# Altium PCB OIS_Anakart.PcbDoc (part 3 of 3)
Units mm, origin at the board's own origin, x right, y up, seen from the top; angles counter-clockwise.
Board outline 285.58 x 103.2 mm, 4 copper layers (Top Layer, GND, PWR, Bottom Layer), stack 0.603 mm thick; 221 components, 193 nets, 759 pads, 338 vias.
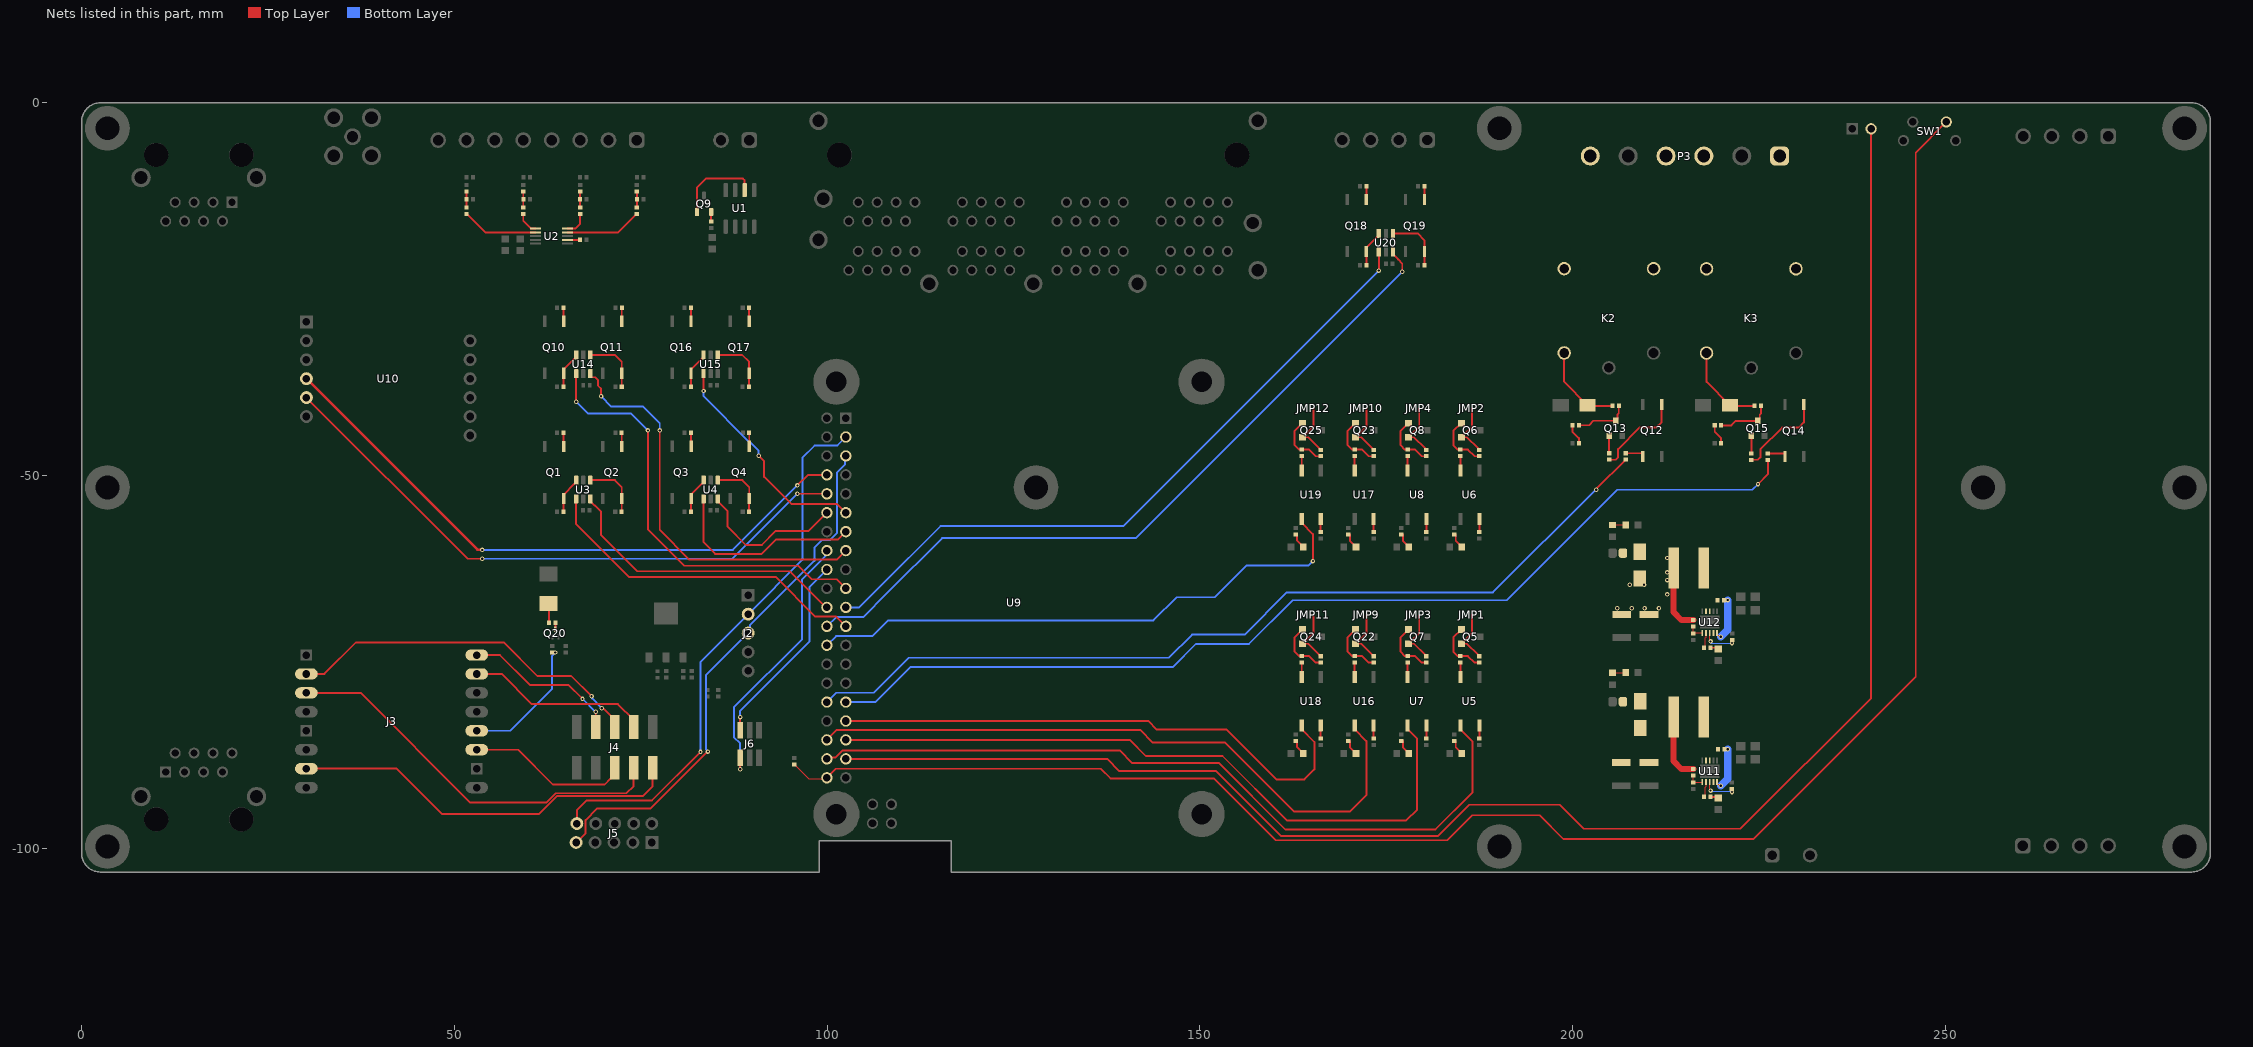
[diagram p5: the nets of this part, all layers, seen from the top]

## Via types
v1: diameter 0.6, hole 0.3, Top Layer to Bottom Layer, tented both sides, 338 vias

## Nets (pads, with @x,y where several pads share a name; then routed paths per layer and width w, separated by ;. In a path a pad name is that pad's centre, name@x,y a point inside that pad or via, vN(x,y) a via of type N, cw(c..) or ccw(c..) an arc to the next point about the centre after c; other vN are vias at no path point) (continued)
GPIO6: R44.1 U9.31 | length 138.3
  Top Layer w0.254: v1(224.895,-51.143) 226.224,-49.814 R44.1@226.224,-47.892
  Bottom Layer w0.254: U9.31@102.515,-80.395 106.49,-80.395 111.181,-75.704 146.386,-75.704 149.484,-72.606 156.587,-72.606 162.455,-66.738 191.171,-66.738 206.003,-51.906 224.133,-51.906 v1(224.895,-51.143)
GPIO7: U9.26 U19.1 | length 76.2
  Top Layer w0.254: U19.1@163.679,-55.829 163.679,-56.349 165.183,-57.853 v1(165.183,-61.481)
  Bottom Layer w0.254: U9.26@99.975,-72.775 101.2,-71.551 106.074,-71.551 108.191,-69.434 143.789,-69.434 146.887,-66.336 152.025,-66.336 156.3,-62.06 164.604,-62.06 v1(165.183,-61.481)
GPIO8: U9.24 U20.6 | length 100
  Top Layer w0.254: U20.6@175.928,-20.027 175.928,-20.342 176.604,-21.018 176.607,-21.018 177.166,-21.576 v1(177.166,-22.661)
  Bottom Layer w0.254: U9.24@99.975,-70.235 101.205,-69.006 104.825,-69.006 108.005,-65.826 115.431,-58.4 141.427,-58.4 v1(177.166,-22.661)
GPIO9: U9.21 U20.4 | length 92.7
  Top Layer w0.254: v1(174.028,-22.508) U20.4@174.028,-20.027
  Bottom Layer w0.254: U9.21@102.515,-67.695 104.321,-67.695 106.821,-65.196 115.216,-56.8 139.736,-56.8 v1(174.028,-22.508)
GPIO10: U9.19 U14.4 | length 58.1
  Top Layer w0.254: v1(66.339,-40.112) U14.4@66.339,-36.337 ; v1(75.967,-43.957) 75.967,-57.215 80.854,-62.102 96.161,-62.102 97.972,-63.913 101.273,-63.913 U9.19@102.515,-65.155
  Bottom Layer w0.254: v1(66.339,-40.112) 67.887,-41.66 73.67,-41.66 v1(75.967,-43.957)
GPIO11: U3.4 U9.23 | length 45.3
  Top Layer w0.254: U3.4@66.331,-53.14 66.331,-56.547 73.395,-63.611 93.109,-63.611 98.429,-68.931 101.211,-68.931 U9.23@102.515,-70.235
GPIO12: R40.1 U9.32 | length 120.7
  Top Layer w0.254: v1(203.208,-51.906) 203.208,-51.796 R40.1@207.124,-47.88
  Bottom Layer w0.254: U9.32@99.975,-80.395 101.227,-79.144 106.269,-79.144 110.964,-74.45 145.867,-74.45 148.964,-71.352 156.015,-71.352 161.672,-65.695 189.335,-65.695 203.124,-51.906 v1(203.208,-51.906)
GPIO13: U9.33 U18.1 | length 73.3
  Top Layer w0.254: U9.33@102.515,-82.935 143.095,-82.935 144.249,-84.09 153.605,-84.09 160.277,-90.761 164.049,-90.761 165.381,-89.429 165.381,-85.753 163.679,-84.051 U18.1@163.679,-83.531
GPIO14: U9.8 U10.4 | length 83.5
  Top Layer w0.254: v1(96.024,-51.334) 97.443,-49.915 U9.8@99.975,-49.915
  Top Layer w0.349: U10.4@30.145,-37.008 53.073,-59.936 53.701,-59.936 v1(53.749,-59.984)
  Bottom Layer w0.254: v1(53.749,-59.984) 87.365,-59.984 96.014,-51.334 v1(96.024,-51.334)
GPIO15: U9.10 U10.5 | length 82.4
  Top Layer w0.254: U10.5@30.145,-39.548 51.768,-61.17 v1(53.749,-61.17) ; v1(96.024,-52.455) U9.10@99.975,-52.455
  Bottom Layer w0.254: v1(53.749,-61.17) 87.309,-61.17 v1(96.024,-52.455)
GPIO16: U9.36 U16.1 | length 88.4
  Top Layer w0.254: U9.36@99.975,-85.475 101.314,-84.136 142.027,-84.136 143.715,-85.824 153.421,-85.824 162.686,-95.09 170.142,-95.09 172.357,-92.875 172.357,-85.63 170.779,-84.051 U16.1@170.779,-83.531
GPIO17: U9.11 U15.4 | length 30.2
  Top Layer w0.254: v1(83.43,-38.664) U15.4@83.43,-36.343 ; v1(90.829,-47.35) 91.562,-48.083 91.562,-50.179 95.19,-53.807 101.327,-53.807 U9.11@102.515,-54.995
  Bottom Layer w0.254: v1(83.43,-38.664) 83.43,-39.371 89.578,-45.519 89.676,-45.519 90.826,-46.669 90.826,-47.347 v1(90.829,-47.35)
GPIO18: U4.6 U9.12 | length 20.4
  Top Layer w0.254: U4.6@85.334,-53.133 85.334,-53.448 86.01,-54.124 86.014,-54.124 86.666,-54.777 86.666,-56.88 89.11,-59.324 91.263,-59.324 93.143,-57.443 97.527,-57.443 U9.12@99.975,-54.995
GPIO19: U7.1 U9.35 | length 93.5
  Top Layer w0.254: U9.35@102.515,-85.475 140.623,-85.475 142.781,-87.633 153.052,-87.633 161.689,-96.271 177.709,-96.271 179.149,-94.832 179.149,-85.321 177.879,-84.051 U7.1@177.879,-83.531
GPIO20: U5.1 U9.38 | length 103.2
  Top Layer w0.254: U9.38@99.975,-88.015 100.131,-87.859 101.118,-87.859 102.089,-86.889 139.27,-86.889 140.975,-88.594 152.588,-88.594 161.487,-97.492 181.619,-97.492 186.574,-92.537 186.574,-85.647 184.979,-84.051 U5.1@184.979,-83.531
GPIO21: R34.2 SW1.1 U9.40 | length 243.6
  Top Layer w0.127: R34.2@95.6,-88.792 95.63,-88.792 97.538,-90.7 99.83,-90.7 U9.40@99.975,-90.555
  Top Layer w0.254: U9.40@99.975,-90.555 101.183,-89.348 136.733,-89.348 138.025,-90.64 151.906,-90.64 160.197,-98.931 183.184,-98.931 186.53,-95.586 195.599,-95.586 198.802,-98.788 224.244,-98.788 246.053,-76.978 246.053,-6.673 SW1.1@250.16,-2.567
GPIO22: U9.15 U14.6 | length 55.1
  Top Layer w0.254: U14.6@68.239,-36.337 68.239,-36.652 68.402,-36.815 68.875,-36.815 69.243,-37.183 69.243,-37.924 69.684,-38.365 v1(69.684,-39.371) ; v1(77.555,-43.957) 77.555,-57.305 81.536,-61.287 101.304,-61.287 U9.15@102.515,-60.075 ; U9.15@102.265,-59.825 U9.15@102.515,-59.575
  Bottom Layer w0.254: v1(69.684,-39.371) 71.069,-40.757 75.306,-40.757 77.555,-43.005 v1(77.555,-43.957)
GPIO25: U3.6 U9.22 | length 39.9
  Top Layer w0.254: U3.6@68.231,-53.14 68.231,-53.455 68.78,-54.004 68.841,-54.004 69.682,-54.845 69.682,-57.999 74.533,-62.849 94.977,-62.849 99.824,-67.695 U9.22@99.975,-67.695
  Bottom Layer w0.254: U9.22@99.975,-67.195 U9.22@99.975,-67.112
GPIO26: D5.A U9.37 | length 228.6
  Top Layer w0.254: U9.37@102.515,-88.015 137.577,-88.015 139.218,-89.656 152.188,-89.656 160.918,-98.387 181.949,-98.387 186.164,-94.171 198.268,-94.171 201.491,-97.394 222.542,-97.394 240.079,-79.857 D5.A@240.079,-3.487
GPIO27: U4.4 U9.13 | length 26.8
  Top Layer w0.254: U4.4@83.434,-53.133 83.434,-58.958 84.986,-60.51 91.225,-60.51 93.143,-58.592 101.459,-58.592 U9.13@102.515,-57.535
IO1: J3.P2 J4.6 | length 48.5
  Top Layer w0.254: J3.P2@30.145,-76.628 32.566,-76.628 36.799,-72.395 56.62,-72.395 61.125,-76.9 65.677,-76.9 v1(68.399,-79.621) ; v1(69.783,-81.223) 69.849,-81.289 70.015,-81.289 71.512,-82.786 J4.6@71.512,-83.739
  Bottom Layer w0.254: v1(68.399,-79.621) 68.465,-79.688 68.465,-79.905 v1(69.783,-81.223)
IO2: J3.P15 J4.8 | length 24.5
  Top Layer w0.254: J3.P15@53.005,-76.628 56.354,-76.628 60.384,-80.658 71.924,-80.658 74.052,-82.786 J4.8@74.052,-83.739
IO3: J3.P3 J4.7 | length 53.4
  Top Layer w0.254: J3.P3@30.145,-79.168 37.415,-79.168 52.125,-93.878 62.333,-93.878 63.583,-92.628 73.088,-92.628 74.052,-91.665 J4.7@74.052,-89.2
IO4: J3.P16 J4.4 | length 21.2
  Top Layer w0.254: J3.P16@53.005,-74.088 56.119,-74.088 60.119,-78.088 65.297,-78.088 v1(67.186,-79.977) ; J4.4@68.972,-83.739 v1(68.972,-81.705)
  Bottom Layer w0.254: v1(67.186,-79.977) 68.914,-81.705 v1(68.972,-81.705)
IO12: J3.P11 J4.5 | length 21.9
  Top Layer w0.254: J3.P11@53.005,-86.788 58.548,-86.788 63.216,-91.456 70.14,-91.456 70.936,-90.66 71.004,-90.66 71.512,-90.152 J4.5@71.512,-89.2
IO13: J3.P12 R66.1 | length 17.9
  Top Layer w0.127: R66.1@63.145,-73.747 v1(63.545,-73.747)
  Bottom Layer w0.254: J3.P12@53.005,-84.248 57.496,-84.248 63.076,-78.668 63.076,-74.242 63.545,-73.773 v1(63.545,-73.747)
IO16: J3.P7 J4.9 | length 53
  Top Layer w0.254: J3.P7@30.145,-89.328 42.263,-89.328 48.352,-95.417 61.333,-95.417 63.741,-93.009 75.249,-93.009 76.592,-91.666 J4.9@76.592,-89.2
NC_U_OIS_Relay1: K2.4 P3.6
NC_U_OIS_Relay2: K3.4 P3.3
NetC3_2: C3.2 R1.1 R2.2 | length 2.1
  Top Layer w0.254: R2.2@74.485,-14.022 C3.2@74.485,-12.934 R1.1@74.485,-11.895
NetC5_2: C5.2 R3.1 R4.2 | length 2.1
  Top Layer w0.254: R4.2@66.865,-14.022 C5.2@66.865,-12.934 R3.1@66.865,-11.895
NetC9_2: C9.2 R5.1 R6.2 | length 2.1
  Top Layer w0.254: R6.2@59.245,-14.022 C9.2@59.245,-12.934 R5.1@59.245,-11.895
NetC11_2: C11.2 R8.1 R9.2 | length 2.1
  Top Layer w0.254: R9.2@51.625,-14.022 C11.2@51.625,-12.934 R8.1@51.625,-11.895
NetC15_1: C15.1 L1.2 U11.8 U11.9
NetC15_2: C15.2 U11.5 | length 6.4
  Top Layer w0.152: U11.5@219.42,-91.125 219.42,-91.379 219.471,-91.43 219.847,-91.43 v1@219.922,-91.505 ; v1@219.83,-91.597 219.842,-91.585 v1@219.922,-91.505 ; v1@219.991,-91.574 v1@219.922,-91.505
  Bottom Layer w1: v1(219.893,-91.636) 220.844,-90.685 v1(220.844,-86.712)
NetC18_2: C18.2 C19.2 D14.A L1.1 R52.2 | length 9
  Top Layer w0.8: L1.1@213.573,-82.409 213.573,-88.328 214.64,-89.396 R52.2@216.216,-89.396
NetC23_1: C23.1 L2.2 U12.8 U12.9
NetC23_2: C23.2 U12.5 | length 6.4
  Top Layer w0.152: U12.5@219.42,-71.125 219.42,-71.379 219.471,-71.43 219.847,-71.43 v1@219.922,-71.505 ; v1@219.83,-71.597 219.842,-71.585 v1@219.922,-71.505 ; v1@219.991,-71.574 v1@219.922,-71.505
  Bottom Layer w1: v1(219.893,-71.636) 220.844,-70.685 v1(220.844,-66.712)
NetC24_2: C24.2 C25.2 D16.A L2.1 R57.2 | length 9
  Top Layer w0.8: L2.1@213.573,-62.409 213.573,-68.328 214.64,-69.396 R57.2@216.216,-69.396
  other v1: 206.019,-67.803 207.949,-67.803 209.673,-67.803 211.604,-67.803 212.731,-65.959 207.676,-64.657 209.607,-64.657 212.731,-64.029 212.731,-63 212.731,-61.069
NetD1_A: D1.A R21.1 | length 2
  Top Layer w0.254: R21.1@184.349,-85.613 184.349,-86.447 185.163,-87.261 D1.A@185.163,-87.281
NetD2_A: D2.A R25.1 | length 2
  Top Layer w0.254: R25.1@184.349,-57.912 184.349,-58.746 185.163,-59.56 D2.A@185.163,-59.58
NetD3_A: D3.A R29.1 | length 2
  Top Layer w0.254: R29.1@177.249,-85.613 177.249,-86.447 178.063,-87.261 D3.A@178.063,-87.281
NetD4_A: D4.A R33.1 | length 2
  Top Layer w0.254: R33.1@177.249,-57.911 177.249,-58.745 178.063,-59.559 D4.A@178.063,-59.579
NetD8_C: D8.C R39.2 | length 2.8
  Top Layer w0.254: R39.2@199.992,-43.256 199.992,-44.124 200.856,-44.988 D8.C@200.856,-45.656
NetD9_A: D9.A K2.5 R41.2 | length 11.7
  Top Layer w0.254: K2.5@198.888,-33.556 198.888,-37.425 D9.A@202.019,-40.556 202.119,-40.656 R41.2@205.356,-40.656
NetD10_C: D10.C R43.2 | length 2.8
  Top Layer w0.254: R43.2@219.092,-43.268 219.092,-44.136 219.956,-45 D10.C@219.956,-45.668
NetD11_A: D11.A K3.5 R45.2 | length 11.7
  Top Layer w0.254: K3.5@217.988,-33.568 217.988,-37.437 D11.A@221.119,-40.568 221.219,-40.668 R45.2@224.456,-40.668
NetD14_C: D14.C SB1.1
NetD15_A: D15.A R53.1 | length 1.8
  Top Layer w0.152: R53.1@205.382,-76.45 D15.A@207.17,-76.45
NetD16_C: D16.C SB2.1
NetD17_A: D17.A R58.1 | length 1.8
  Top Layer w0.152: R58.1@205.382,-56.64 D17.A@207.17,-56.64
NetD18_A: D18.A R72.1 | length 2
  Top Layer w0.254: R72.1@170.149,-85.613 170.149,-86.447 170.963,-87.261 D18.A@170.963,-87.281
NetD19_A: D19.A R76.1 | length 2
  Top Layer w0.254: R76.1@170.149,-57.911 170.149,-58.745 170.963,-59.559 D19.A@170.963,-59.579
NetD20_A: D20.A R80.1 | length 2
  Top Layer w0.254: R80.1@163.049,-85.613 163.049,-86.447 163.863,-87.261 D20.A@163.863,-87.281
NetD21_A: D21.A R84.1 | length 2
  Top Layer w0.254: R84.1@163.049,-57.911 163.049,-58.745 163.863,-59.559 D21.A@163.863,-59.579
NetLS1_N: LS1.N R65.2 | length 2.5
  Top Layer w0.254: LS1.N@62.647,-67.198 62.681,-67.231 R65.2@62.681,-69.732
NetQ1_1: Q1.1 R11.1 | length 1.8
  Top Layer w0.254: Q1.1@64.651,-46.093 R11.1@64.651,-44.285
NetQ1_6: Q1.6 R10.1 U3.3 | length 5
  Top Layer w0.254: R10.1@64.651,-54.885 Q1.6@64.651,-53.076 64.651,-52.55 66.094,-51.108 66.168,-51.108 66.331,-50.945 U3.3@66.331,-50.63
NetQ2_1: Q2.1 R13.1 | length 1.8
  Top Layer w0.254: Q2.1@72.451,-46.093 R13.1@72.451,-44.285
NetQ2_6: Q2.6 R12.1 U3.1 | length 7.9
  Top Layer w0.254: U3.1@68.231,-50.63 71.526,-50.63 72.451,-51.555 Q2.6@72.451,-53.076 ; R12.1@72.446,-54.885 Q2.6@72.446,-53.076
NetQ3_1: Q3.1 R15.1 | length 1.8
  Top Layer w0.254: Q3.1@81.754,-46.086 R15.1@81.754,-44.278
NetQ3_6: Q3.6 R14.1 U4.3 | length 5
  Top Layer w0.254: R14.1@81.754,-54.878 Q3.6@81.754,-53.07 81.754,-52.544 83.197,-51.101 83.271,-51.101 83.434,-50.938 U4.3@83.434,-50.623
NetQ4_1: Q4.1 R17.1 | length 1.8
  Top Layer w0.254: Q4.1@89.554,-46.086 R17.1@89.554,-44.278
NetQ4_6: Q4.6 R16.1 U4.1 | length 7.9
  Top Layer w0.254: U4.1@85.334,-50.623 88.629,-50.623 89.554,-51.548 Q4.6@89.554,-53.07 ; R16.1@89.55,-54.878 Q4.6@89.55,-53.07
NetQ5_1: Q5.1 R18.2 R19.2 | length 7.5
  Top Layer w0.254: Q5.1@185.099,-70.673 185.074,-70.673 184.037,-71.71 184.037,-73.622 184.632,-74.217 R19.2@184.979,-74.217 185.985,-74.217 186.881,-75.113 R18.2@187.519,-75.113
NetQ6_1: Q6.1 R22.2 R23.2 | length 7.5
  Top Layer w0.254: Q6.1@185.099,-42.973 185.074,-42.973 184.037,-44.009 184.037,-45.922 184.632,-46.516 R23.2@184.979,-46.516 185.985,-46.516 186.881,-47.412 R22.2@187.519,-47.412
NetQ7_1: Q7.1 R26.2 R27.2 | length 7.5
  Top Layer w0.254: Q7.1@177.999,-70.673 177.974,-70.673 176.937,-71.71 176.937,-73.622 177.532,-74.217 R27.2@177.879,-74.217 178.885,-74.217 179.781,-75.113 R26.2@180.419,-75.113
NetQ8_1: Q8.1 R30.2 R31.2 | length 7.5
  Top Layer w0.254: Q8.1@177.999,-42.971 177.974,-42.971 176.937,-44.008 176.937,-45.92 177.532,-46.515 R31.2@177.879,-46.515 178.885,-46.515 179.781,-47.411 R30.2@180.419,-47.411
NetQ9_2: Q9.2 R38.2@84.453,-15.936 | length 1.3
  Top Layer w0.254: R38.2@84.453,-15.936 Q9.2@84.453,-14.641
NetQ10_1: Q10.1 R36.1@64.659,-27.482 | length 3.6
  Top Layer w0.254: Q10.1@64.659,-29.29 R36.1@64.659,-27.482 Q10.1@64.659,-29.29
NetQ10_6: Q10.6 R35.1 U14.3 | length 10
  Top Layer w0.254: Q10.6@64.659,-36.274 R35.1@64.659,-38.082 Q10.6@64.659,-36.274 ; Q10.6@64.659,-36.274 Q10.6@64.659,-35.748 ; Q10.6@64.659,-36.274 Q10.6@64.659,-35.748 ; Q10.6@64.659,-35.748 U14.3@66.102,-34.305 ; Q10.6@64.659,-35.748 U14.3@66.102,-34.305 ; U14.3@66.102,-34.305 U14.3@66.176,-34.305 ; U14.3@66.102,-34.305 U14.3@66.176,-34.305 ; U14.3@66.176,-34.305 U14.3@66.339,-34.142 ; U14.3@66.176,-34.305 U14.3@66.339,-34.142 ; U14.3@66.339,-34.142 U14.3@66.339,-33.827 U14.3@66.339,-34.142
NetQ11_1: Q11.1 R38.1@72.459,-27.482 | length 3.6
  Top Layer w0.254: Q11.1@72.459,-29.29 R38.1@72.459,-27.482 Q11.1@72.459,-29.29
NetQ11_6: Q11.6 R37.1@72.454,-38.082 U14.1 | length 15.9
  Top Layer w0.254: 71.534,-33.827 U14.1@68.239,-33.827 71.534,-33.827 ; 71.534,-33.827 72.459,-34.752 ; 71.534,-33.827 72.459,-34.752 ; 72.459,-34.752 Q11.6@72.459,-36.274 72.459,-34.752 ; R37.1@72.454,-38.082 72.454,-36.274 R37.1@72.454,-38.082
NetQ12_1: Q12.1 R40.2 | length 2.7
  Top Layer w0.254: R40.2@207.124,-47.016 209.317,-47.016 209.418,-47.117 Q12.1@209.418,-47.448
NetQ12_4: Q12.4 R42.1 | length 12.2
  Top Layer w0.254: R42.1@204.913,-47.88 205.792,-47.88 206.124,-47.548 206.124,-46.456 209.024,-43.556 211.258,-43.556 211.958,-42.856 Q12.4@211.958,-40.465
NetQ13_1: Q13.1 R42.2 | length 2.4
  Top Layer w0.254: R42.2@204.913,-47.016 Q13.1@204.913,-44.656
NetQ13_3: Q13.3 R39.1 R41.1 | length 7.4
  Top Layer w0.254: R39.1@200.856,-43.256 202.224,-43.256 202.824,-42.656 Q13.3@205.788,-42.656 206.03,-42.414 206.03,-41.85 206.22,-41.66 R41.1@206.22,-40.656
NetQ14_1: Q14.1 R44.2 | length 2.7
  Top Layer w0.254: R44.2@226.224,-47.028 228.417,-47.028 228.518,-47.129 Q14.1@228.518,-47.46
NetQ14_4: Q14.4 R46.1 | length 12.2
  Top Layer w0.254: R46.1@224.013,-47.892 224.892,-47.892 225.224,-47.56 225.224,-46.468 228.124,-43.568 230.358,-43.568 231.058,-42.868 Q14.4@231.058,-40.477
NetQ15_1: Q15.1 R46.2 | length 2.4
  Top Layer w0.254: R46.2@224.013,-47.028 Q15.1@224.013,-44.668
NetQ15_3: Q15.3 R43.1 R45.1 | length 7.4
  Top Layer w0.254: R43.1@219.956,-43.268 221.324,-43.268 221.924,-42.668 Q15.3@224.888,-42.668 225.13,-42.426 225.13,-41.862 225.32,-41.673 R45.1@225.32,-40.668
NetQ16_1: Q16.1 R48.1 | length 1.8
  Top Layer w0.254: Q16.1@81.75,-29.296 R48.1@81.75,-27.488
NetQ16_6: Q16.6 R47.1 U15.3 | length 5
  Top Layer w0.254: R47.1@81.75,-38.088 Q16.6@81.75,-36.28 81.75,-35.754 83.193,-34.311 83.267,-34.311 83.43,-34.148 U15.3@83.43,-33.833
NetQ17_1: Q17.1 R50.1 | length 1.8
  Top Layer w0.254: Q17.1@89.55,-29.296 R50.1@89.55,-27.488
NetQ17_6: Q17.6 R49.1 U15.1 | length 7.9
  Top Layer w0.254: U15.1@85.33,-33.833 88.625,-33.833 89.55,-34.758 Q17.6@89.55,-36.28 ; R49.1@89.545,-38.088 Q17.6@89.545,-36.28
NetQ18_1: Q18.1 R62.1 | length 1.8
  Top Layer w0.254: Q18.1@172.348,-12.98 R62.1@172.348,-11.172
NetQ18_6: Q18.6 R61.1 U20.3 | length 5
  Top Layer w0.254: R61.1@172.348,-21.772 Q18.6@172.348,-19.963 172.348,-19.437 173.791,-17.995 173.865,-17.995 174.028,-17.832 U20.3@174.028,-17.517
NetQ19_1: Q19.1 R64.1 | length 1.8
  Top Layer w0.254: Q19.1@180.148,-12.98 R64.1@180.148,-11.172
NetQ19_6: Q19.6 R63.1 U20.1 | length 7.9
  Top Layer w0.254: U20.1@175.928,-17.517 179.223,-17.517 180.148,-18.442 Q19.6@180.148,-19.963 ; R63.1@180.144,-21.772 Q19.6@180.144,-19.963
NetQ20_3: Q20.3 R65.1 | length 0.9
  Top Layer w0.254: Q20.3@63.545,-70.643 R65.1@63.545,-69.732
NetQ22_1: Q22.1 R69.2 R70.2 | length 7.5
  Top Layer w0.254: Q22.1@170.899,-70.673 170.874,-70.673 169.837,-71.71 169.837,-73.622 170.432,-74.217 R70.2@170.779,-74.217 171.785,-74.217 172.681,-75.113 R69.2@173.319,-75.113
NetQ23_1: Q23.1 R73.2 R74.2 | length 7.5
  Top Layer w0.254: Q23.1@170.899,-42.972 170.874,-42.972 169.837,-44.008 169.837,-45.921 170.432,-46.515 R74.2@170.779,-46.515 171.785,-46.515 172.681,-47.411 R73.2@173.319,-47.411
NetQ24_1: Q24.1 R77.2 R78.2 | length 7.5
  Top Layer w0.254: Q24.1@163.799,-70.673 163.774,-70.673 162.737,-71.71 162.737,-73.622 163.332,-74.217 R78.2@163.679,-74.217 164.685,-74.217 165.581,-75.113 R77.2@166.219,-75.113
NetQ25_1: Q25.1 R81.2 R82.2 | length 7.5
  Top Layer w0.254: Q25.1@163.799,-42.971 163.774,-42.971 162.737,-44.008 162.737,-45.92 163.332,-46.515 R82.2@163.679,-46.515 164.685,-46.515 165.581,-47.411 R81.2@166.219,-47.411
NetR7_2: R7.2 U2.2 | length 1.7
  Top Layer w0.254: U2.2@65.198,-18.386 65.204,-18.393 66.858,-18.393 R7.2@66.865,-18.399
NetR19_1: R19.1 U5.6 | length 3.5
  Top Layer w0.254: 184.949,-75.781 184.964,-75.796 184.964,-77.316 U5.6@184.979,-77.331 ; U5.6@184.979,-77.031 R19.1@184.979,-75.081
NetR20_2: R20.2 U5.3 | length 1.7
  Top Layer w0.254: R20.2@187.519,-85.281 U5.3@187.519,-83.531
NetR23_1: R23.1 U6.6 | length 4.2
  Top Layer w0.127: U6.6@184.979,-49.33 R23.1@184.979,-47.38
  Top Layer w0.254: R23.1@184.964,-47.38 184.964,-49.615 U6.6@184.979,-49.63
NetR24_2: R24.2 U6.3 | length 1.7
  Top Layer w0.254: R24.2@187.519,-57.58 U6.3@187.519,-55.83
NetR27_1: R27.1 U7.6 | length 1.9
  Top Layer w0.254: U7.6@177.879,-77.031 R27.1@177.879,-75.081
NetR28_2: R28.2 U7.3 | length 1.7
  Top Layer w0.254: R28.2@180.419,-85.281 U7.3@180.419,-83.531
NetR31_1: R31.1 U8.6 | length 2
  Top Layer w0.254: U8.6@177.864,-49.614 U8.6@177.879,-49.629 ; U8.6@177.879,-49.329 R31.1@177.879,-47.379
NetR32_2: R32.2 U8.3 | length 1.7
  Top Layer w0.254: R32.2@180.419,-57.579 U8.3@180.419,-55.829
NetR51_1: R51.1 U11.3 | length 4.2
  Top Layer w0.152: U11.3@218.42,-91.125 218.42,-92.002 218.443,-92.025 218.443,-92.181 v1(218.528,-92.267)
  Bottom Layer w0.152: v1(218.528,-92.267) 218.601,-92.34 221.15,-92.34 221.285,-92.475 v1(221.406,-92.475)
NetR52_1: R52.1 R55.1 U11.1 | length 2.2
  Top Layer w0.152: R55.1@216.182,-91.194 R55.1@216.216,-91.16 ; R52.1@216.216,-90.26 R55.1@216.216,-91.16 ; U11.1@217.419,-91.125 216.25,-91.125 R55.1@216.216,-91.16
NetR54_2: R54.2 U11.2 | length 2.1
  Top Layer w0.152: R54.2@217.653,-93.081 217.847,-92.887 217.847,-91.796 217.92,-91.724 U11.2@217.92,-91.125
NetR56_1: R56.1 U12.3 | length 4.3
  Top Layer w0.152: U12.3@218.42,-71.125 218.42,-72.002 218.443,-72.025 218.443,-72.181 v1(218.528,-72.267)
  Bottom Layer w0.152: v1(218.528,-72.267) 218.528,-72.475 v1(221.406,-72.475)
NetR57_1: R57.1 R60.1 U12.1 | length 2.2
  Top Layer w0.152: R60.1@216.182,-71.194 R60.1@216.216,-71.16 ; R57.1@216.216,-70.26 R60.1@216.216,-71.16 ; U12.1@217.419,-71.125 216.25,-71.125 R60.1@216.216,-71.16
NetR59_2: R59.2 U12.2 | length 2.1
  Top Layer w0.152: R59.2@217.653,-73.081 217.847,-72.887 217.847,-71.796 217.92,-71.724 U12.2@217.92,-71.125
NetR70_1: R70.1 U16.6 | length 1.9
  Top Layer w0.254: U16.6@170.779,-77.031 R70.1@170.779,-75.081
NetR71_2: R71.2 U16.3 | length 1.7
  Top Layer w0.254: R71.2@173.319,-85.281 U16.3@173.319,-83.531
NetR74_1: R74.1 U17.6 | length 1.9
  Top Layer w0.254: U17.6@170.779,-49.329 R74.1@170.779,-47.379
NetR75_2: R75.2 U17.3 | length 1.7
  Top Layer w0.254: R75.2@173.319,-57.579 U17.3@173.319,-55.829
NetR78_1: R78.1 U18.6 | length 1.9
  Top Layer w0.254: U18.6@163.679,-77.031 R78.1@163.679,-75.081
NetR79_2: R79.2 U18.3 | length 1.7
  Top Layer w0.254: R79.2@166.219,-85.281 U18.3@166.219,-83.531
NetR82_1: R82.1 U19.6 | length 1.9
  Top Layer w0.254: U19.6@163.679,-49.329 R82.1@163.679,-47.379
NetR83_2: R83.2 U19.3 | length 1.7
  Top Layer w0.254: R83.2@166.219,-57.579 U19.3@166.219,-55.829
NO_U_OIS_Relay1: K2.3 P3.4
NO_U_OIS_Relay2: K3.3 P3.1
PCLTZ: Q9.1 U1.6 | length 11.6
  Top Layer w0.254: Q9.1@82.553,-14.641 82.553,-11.346 83.738,-10.161 88.709,-10.161 88.942,-10.394 U1.6@88.942,-11.708
PWR_IO_U_DIGITAL_OUTPUT_2CH_1: JMP1.2 Q5.2 R18.1 | length 7.8
  Top Layer w0.254: Q5.2@184.979,-72.693 Q5.2@185.099,-72.573 Q5.2@185.124,-72.573 ; JMP1.2@186.549,-68.681 186.549,-71.123 185.447,-72.225 185.447,-72.25 Q5.2@185.124,-72.573 ; R18.1@187.519,-74.249 187.489,-74.249 187.346,-74.106 187.346,-74.076 185.843,-72.573 Q5.2@185.124,-72.573
PWR_IO_U_DIGITAL_OUTPUT_2CH_2: JMP2.2 Q6.2 R22.1 | length 7.4
  Top Layer w0.254: Q6.2@184.979,-44.993 Q6.2@185.099,-44.873 185.843,-44.873 187.346,-46.375 187.346,-46.405 187.489,-46.548 R22.1@187.519,-46.548 ; Q6.2@185.368,-44.628 186.549,-43.448 JMP2.2@186.549,-40.98
PWR_IO_U_DIGITAL_OUTPUT_2CH_3: JMP3.2 Q7.2 R26.1 | length 7.4
  Top Layer w0.254: Q7.2@177.879,-72.693 Q7.2@177.999,-72.573 178.743,-72.573 180.246,-74.076 180.246,-74.106 180.389,-74.249 R26.1@180.419,-74.249 ; Q7.2@178.268,-72.329 179.449,-71.148 JMP3.2@179.449,-68.681
PWR_IO_U_DIGITAL_OUTPUT_2CH_4: JMP4.2 Q8.2 R30.1 | length 7.4
  Top Layer w0.254: Q8.2@177.879,-44.991 Q8.2@177.999,-44.871 178.743,-44.871 180.246,-46.374 180.246,-46.404 180.389,-46.547 R30.1@180.419,-46.547 ; Q8.2@178.268,-44.627 179.449,-43.446 JMP4.2@179.449,-40.979
PWR_IO_U_DIGITAL_OUTPUT_2CH_5: JMP9.2 Q22.2 R69.1 | length 7.4
  Top Layer w0.254: Q22.2@170.779,-72.693 Q22.2@170.899,-72.573 171.643,-72.573 173.146,-74.076 173.146,-74.106 173.289,-74.249 R69.1@173.319,-74.249 ; Q22.2@171.168,-72.329 172.349,-71.148 JMP9.2@172.349,-68.681
PWR_IO_U_DIGITAL_OUTPUT_2CH_6: JMP10.2 Q23.2 R73.1 | length 7.8
  Top Layer w0.254: Q23.2@170.779,-44.992 Q23.2@170.899,-44.872 ; Q23.2@170.839,-44.932 Q23.2@170.899,-44.872 ; JMP10.2@172.349,-40.979 172.349,-43.447 171.168,-44.627 Q23.2@171.168,-44.872 ; R73.1@173.319,-46.547 173.289,-46.547 173.146,-46.404 173.146,-46.374 171.643,-44.872 Q23.2@171.168,-44.872 ; Q23.2@170.899,-44.872 Q23.2@171.168,-44.872
PWR_IO_U_DIGITAL_OUTPUT_2CH_7: JMP11.2 Q24.2 R77.1 | length 7.4
  Top Layer w0.254: Q24.2@163.679,-72.693 Q24.2@163.799,-72.573 164.543,-72.573 166.046,-74.076 166.046,-74.106 166.189,-74.249 R77.1@166.219,-74.249 ; Q24.2@164.068,-72.329 165.249,-71.148 JMP11.2@165.249,-68.681
PWR_IO_U_DIGITAL_OUTPUT_2CH_8: JMP12.2 Q25.2 R81.1 | length 7.4
  Top Layer w0.254: Q25.2@163.679,-44.991 Q25.2@163.799,-44.871 164.543,-44.871 166.046,-46.374 166.046,-46.404 166.189,-46.547 R81.1@166.219,-46.547 ; Q25.2@164.068,-44.627 165.249,-43.446 JMP12.2@165.249,-40.979
RPI_SCL: J6.2 U9.18 | length 26.5
  Top Layer w0.254: J6.2@88.336,-84.176 v1(88.336,-82.415) v1@88.411,-82.34
  Bottom Layer w0.254: v1(88.336,-82.415) 88.336,-81.582 97.629,-72.289 97.629,-64.961 U9.18@99.975,-62.615
RPI_SDA: J6.1 U9.16 | length 36.7
  Top Layer w0.254: v1@88.261,-89.482 v1(88.336,-89.407) J6.1@88.336,-87.859 J6.1@88.336,-87.646
  Bottom Layer w0.254: v1(88.336,-89.407) 88.336,-85.93 87.511,-85.105 87.511,-81.077 96.645,-71.942 96.645,-63.945 99.732,-60.858 99.732,-60.318 U9.16@99.975,-60.075
RTC_SCL: J2.3 J5.9 U9.5 | length 71.9
  Top Layer w0.254: J5.9@66.332,-99.24 67.602,-97.969 67.602,-96.223 69.125,-94.7 76.275,-94.7 83.929,-87.046 v1(84.021,-87.046)
  Bottom Layer w0.254: v1(84.021,-87.046) 84.021,-86.999 83.746,-86.724 83.746,-78.444 83.746,-76.804 89.641,-70.909 89.641,-70.122 98.294,-61.469 98.294,-59.661 99.294,-58.662 100.343,-58.662 101.343,-57.662 101.343,-49.594 102.418,-48.518 102.418,-47.472 U9.5@102.515,-47.375
RTC_SDA: J2.2 J5.10 U9.3 | length 73.7
  Top Layer w0.254: J5.10@66.432,-96.7 66.432,-94.936 67.771,-93.597 76.511,-93.597 v1(83.02,-87.089)
  Bottom Layer w0.254: v1(83.02,-87.089) 83.02,-74.99 J2.2@89.41,-68.601 96.69,-61.32 96.69,-47.617 98.333,-45.975 101.376,-45.975 U9.3@102.515,-44.835
VCC1: C20.2 R54.1 U11.4 | length 1.3
  Top Layer w0.254: R54.1@218.381,-93.11 219.398,-93.11 C20.2@219.57,-93.283
VCC2: C26.2 R59.1 U12.4 | length 1.3
  Top Layer w0.254: R59.1@218.381,-73.11 219.398,-73.11 C26.2@219.57,-73.283
VIN0: R2.1 U2.4 | length 10.3
  Top Layer w0.254: U2.4@65.198,-17.386 71.955,-17.386 74.455,-14.886 R2.1@74.485,-14.886
VIN1: R4.1 U2.5 | length 3.3
  Top Layer w0.254: U2.5@65.198,-16.886 66.218,-16.886 66.865,-16.24 R4.1@66.865,-14.886
VIN2: R6.1 U2.6 | length 3
  Top Layer w0.254: R6.1@59.245,-14.886 59.245,-15.828 60.303,-16.886 U2.6@60.898,-16.886
VIN3: R9.1 U2.7 | length 10.3
  Top Layer w0.254: R9.1@51.625,-14.886 51.655,-14.886 54.155,-17.386 U2.7@60.898,-17.386
pads on no net: J1. J1.6_P1 J1.6_P2 J1.6_P3 J1.6_P4 J1.6_P5 J1.6_P6 J1.6_P7 J1.6_P8 J1.S1 J1.S2 J1.S3 J1.S4 J1.S5 J1.S6 J1.S7 J1.S8 J1.S9 J2.4 J3.P4 J3.P6 J3.P9 J11. J12. MH1.1 MH2.1 MH3.1 MH5.1 MH6.1 MH8.1 MH9.1 MH10.1 MH11.1 U9.1 U9.17 U9.41 U9.42 U9.43 U9.44 U9.S1 U9.S2 U9.S3 U9.S4 U10.3 U10.7 U10.8 U10.9 U10.10 U10.11 U10.12 U13.4

## Polygon pours and split planes (outlines as drawn)
GND on Top Layer "GND_L01_P044" (solid, pour order 44): 192.676,0 192.676,-42 235.947,-42 235.947,0 285.576,0 285.576,-103.2 27.2,-103.2 27.2,0
FGND on Top Layer "FGND_L01_P055" (solid, pour order 55): 22.4,-85 25.086,-87.686 25.086,-103.2 2.5,-103.2 2.5,0 25.086,0 25.086,-20.694 22.4,-23.379
COMMON_U_OIS_Relay1 on Top Layer "COMMON_U_OIS_RELAY1_L01_P028" (solid, pour order 28): 205.724,-4.597 205.724,-10.325 202.324,-13.725 202.324,-14.256 202.324,-33.656 202.324,-35.956 203.924,-37.556 205.724,-37.556 207.424,-35.856 207.424,-13.518 209.279,-11.663 209.279,-5.166 208.14,-4.027 206.294,-4.027
COMMON_U_OIS_Relay2 on Top Layer "COMMON_U_OIS_RELAY2_L01_P027" (solid, pour order 27): 221.424,-25.046 221.424,-10.155 220.906,-9.637 220.906,-5.174 222.01,-4.07 223.853,-4.07 224.824,-5.042 224.824,-25.71 226.524,-27.41 226.524,-35.868 224.824,-37.568 223.024,-37.568 221.424,-35.969 221.424,-33.669
+12V on Top Layer "+12V_L01_P025" (solid, pour order 25): 220.844,-69.345 220.844,-71.369 221.05,-71.574 221.73,-71.574 222.54,-70.765 223.828,-70.765 225.697,-68.895 225.697,-67.733 225.327,-67.363 219.438,-67.356 218.92,-67.874 218.92,-68.504 219.182,-68.766 220.266,-68.766
VCC2 on Top Layer "NONET_L-01_P-001" (solid, pour order 43): 218.792,-70.765 218.798,-71.973 219.009,-72.184 219.009,-73.851 220.124,-73.851 220.124,-72.649 219.149,-71.674 219.169,-71.655 219.169,-70.745
NetC24_2 on Top Layer "NETC24_2_L01_P035" (solid, pour order 35): 214.456,-61.069 214.068,-60.681 212.191,-60.681 210.148,-62.723 207.478,-62.723 204.946,-65.255 204.946,-68.877 205.36,-69.326 213.016,-69.326 214.456,-67.885
NetD16_C on Top Layer "NETD16_C_L01_P034" (solid, pour order 34): 207.984,-59.073 207.519,-59.538 206.382,-59.538 206.149,-59.77 206.149,-61.01 206.516,-61.376 207.984,-61.376 210.003,-61.376 210.132,-61.247 210.132,-57.96 209.932,-57.76 208.464,-57.76 207.984,-58.24
NetC23_1 on Top Layer "NETC23_1_L01_P033" (solid, pour order 33): 218.867,-65.173 219.814,-66.12 219.814,-67.105 219.676,-67.243 218.819,-67.243 218.67,-67.405 218.67,-68.488 218.565,-68.593 218.55,-68.578 215.678,-68.578 215.184,-68.054 215.184,-65.886 215.729,-65.341 215.729,-59.154 216.147,-58.735 217.935,-58.735 217.947,-58.723 218.67,-59.445 218.67,-64.977
+12V on Top Layer "+12V_L01_P026" (solid, pour order 26): 220.844,-89.345 220.844,-91.369 221.05,-91.574 221.73,-91.574 222.54,-90.765 223.828,-90.765 225.697,-88.895 225.697,-87.733 225.327,-87.363 219.438,-87.356 218.92,-87.874 218.92,-88.504 219.182,-88.766 220.266,-88.766
VCC1 on Top Layer "NONET_L-01_P-001" (solid, pour order 32): 218.792,-90.765 218.798,-91.973 219.009,-92.184 219.009,-93.851 220.124,-93.851 220.124,-92.649 219.149,-91.674 219.169,-91.655 219.169,-90.745
NetC18_2 on Top Layer "NETC18_2_L01_P031" (solid, pour order 31): 214.456,-81.069 214.068,-80.681 212.191,-80.681 210.148,-82.723 207.478,-82.723 204.946,-85.255 204.946,-88.877 205.36,-89.326 213.016,-89.326 214.456,-87.885
NetD14_C on Top Layer "NETD14_C_L01_P030" (solid, pour order 30): 207.984,-79.073 207.519,-79.538 206.382,-79.538 206.149,-79.77 206.149,-81.01 206.516,-81.376 207.984,-81.376 210.003,-81.376 210.132,-81.247 210.132,-77.96 209.932,-77.76 208.464,-77.76 207.984,-78.24
NetC15_1 on Top Layer "NETC15_1_L01_P029" (solid, pour order 29): 218.867,-85.173 219.814,-86.12 219.814,-87.105 219.676,-87.243 219.028,-87.243 218.67,-87.632 218.67,-88.488 218.565,-88.593 218.55,-88.578 215.678,-88.578 215.184,-88.054 215.184,-85.886 215.729,-85.341 215.729,-79.154 216.147,-78.735 217.935,-78.735 217.947,-78.723 218.67,-79.445 218.67,-84.977
GND on Bottom Layer "GND_L04_P050" (solid, pour order 50): 192.676,0 192.676,-42 235.947,-42 235.947,0 285.576,0 285.576,-103.2 27.2,-103.2 27.2,0
FGND on Bottom Layer "FGND_L04_P058" (solid, pour order 58): 22.4,-85 25.086,-87.686 25.086,-103.2 2.5,-103.2 2.5,0 25.086,0 25.086,-20.694 22.4,-23.379
NO_U_OIS_Relay1 on Bottom Layer "NO_U_OIS_RELAY1_L04_P024" (solid, pour order 24): 210.497,-12.338 210.497,-5.668 211.175,-4.99 213.711,-4.99 214.75,-6.03 214.75,-13.41 213.079,-15.081 213.079,-22.668 211.979,-23.768 209.436,-23.768 208.679,-23.012 208.679,-14.156
NO_U_OIS_Relay2 on Bottom Layer "NO_U_OIS_RELAY2_L04_P023" (solid, pour order 23): 227.779,-12.387 225.932,-10.54 225.932,-5.283 227.051,-4.163 229.833,-4.163 232.179,-6.51 232.179,-22.681 231.079,-23.781 228.536,-23.781 227.779,-23.024
NC_U_OIS_Relay1 on Bottom Layer "NC_U_OIS_RELAY1_L04_P022" (solid, pour order 22): 196.824,-7.809 200.376,-4.257 203.34,-4.257 204.604,-5.521 204.513,-5.613 204.513,-9.795 201.224,-13.084 201.224,-23.2 200.468,-23.956 197.924,-23.956 196.824,-22.856
NC_U_OIS_Relay2 on Bottom Layer "NC_U_OIS_RELAY2_L04_P021" (solid, pour order 21): 218.272,-4.385 219.903,-6.016 219.903,-11.845 220.324,-12.266 220.324,-23.212 219.568,-23.968 217.024,-23.968 215.924,-22.868 215.924,-5.128 216.667,-4.385
+12V on Bottom Layer "+12V_L04_P041" (solid, pour order 41): 88.903,-3.018 90.203,-3.018 93.289,-6.104 93.289,-9.637 98.487,-14.835 108.216,-14.835 109.26,-15.88 109.26,-19.573 107.646,-21.188 92.163,-21.188 88.021,-17.046 88.021,-3.638
+3V3 on PWR "+3V3_L03_P059" (solid, pour order 59): 29.157,-88.404 28.6,-88.961 28.6,-92.234 29.245,-92.88 68.791,-92.88 73.669,-97.758 74.901,-97.758 75.131,-97.518 75.136,-95.369 90.768,-79.737 90.768,-38.029 77.776,-25.037 96.106,-6.708 151.394,-6.708 173.139,-28.453 180.225,-28.453 183.133,-25.545 183.133,-13.613 169.52,0 88.508,0 75.725,-12.783 62.339,-12.783 56.92,-7.364 45.367,-7.364 44.426,-8.304 44.426,-12.334 46.307,-14.215 51.143,-14.215 60.278,-23.35 60.278,-66.303 38.177,-88.404
+5V on PWR "+5V_L03_P042" (solid, pour order 42): 25.4,-37.795 25.4,-28.5 26.988,-26.912 31.881,-26.912 33.497,-28.528 33.497,-51.64 28,-57.138 28,-91.4 35.748,-99.148 75.136,-99.148 75.136,-95.899 83.9,-87.135 83.9,-77.876 82.365,-76.342 80.642,-76.342 79.678,-75.378 79.678,-72.843 80.342,-72.179 86.861,-72.179 91.779,-67.261 91.779,-47.583 98.265,-41.097 103.971,-41.097 105.186,-42.312 105.186,-46.143 98.883,-52.446 98.883,-83.348 101.379,-85.844 195.528,-85.844 203.697,-77.676 205.746,-77.676 207.635,-79.564 207.635,-82.292 196.702,-92.788 100.145,-92.788 93.024,-99.908 84.669,-99.908 82.186,-102.392 34.792,-102.392 25.4,-93
NetC24_2 on PWR "NETC24_2_L03_P038" (solid, pour order 38): 214.456,-61.069 214.068,-60.681 212.191,-60.681 210.148,-62.723 207.478,-62.723 204.946,-65.255 204.946,-68.877 205.36,-69.326 213.016,-69.326 214.456,-67.885
FGND on PWR "FGND_L03_P060" (solid, pour order 60): 22.4,-85 25.086,-87.686 25.086,-103.2 2.5,-103.2 2.5,0 25.086,0 25.086,-20.694 22.4,-23.379
+5V_IO on PWR "+5V_IO_L03_P040" (solid, pour order 40): 204.964,-57.603 207.321,-59.96 207.321,-64.46 192.596,-79.185 165.029,-79.185 156.132,-70.289 156.132,-34.323 152.193,-30.383 94.495,-30.383 87.632,-23.52 87.632,-18.105 97.849,-7.889 148.584,-7.889 150.167,-9.471 150.167,-13.155 149.619,-13.703 149.519,-13.604 99.875,-13.604 97.292,-16.186 97.292,-20.673 98.736,-22.117 150.251,-22.117 161.064,-32.93 161.064,-41.398 162.313,-42.648 186.735,-42.648 187.303,-43.216 187.303,-47.352 186.802,-47.853 164.981,-47.853 160.336,-52.497 160.336,-66.88 163.57,-70.114 192.114,-70.114 199.456,-62.772 199.456,-58.866 200.719,-57.603
+12V on PWR "+12V_L03_P039" (solid, pour order 39): 161.477,-67.185 164.626,-64.036 183.858,-64.036 188.588,-59.306 188.588,-43.784 187.452,-42.648 163.263,-42.648 161.477,-40.979 161.477,-31.62 150.998,-21.141 99.505,-21.141 99.505,-16.965 101.561,-14.909 156.967,-14.909 177.829,-35.772 202.609,-35.772 208.227,-30.154 234.308,-30.154 234.958,-30.804 234.958,-93.897 227.408,-101.448 224.627,-101.446 217.309,-94.127 217.309,-50.59 210.947,-44.229 201.669,-44.229 193.879,-52.019 193.879,-63.949 187.714,-70.114 162.731,-70.114 161.477,-68.861
GND on GND "GND_L02_P049" (solid, pour order 49): 192.676,0 192.676,-42 235.947,-42 235.947,0 285.576,0 285.576,-103.2 27.2,-103.2 27.2,0
FGND on GND "FGND_L02_P057" (solid, pour order 57): 22.4,-85 25.086,-87.686 25.086,-103.2 2.5,-103.2 2.5,0 25.086,0 25.086,-20.694 22.4,-23.379

## Other copper
Top Layer:
  rectangle net +3V3: 76.943,-76.528 79.12,-73.598
  rectangle net +5V: 79.98,-76.249 82.449,-73.38

## Silkscreen, mask and mechanical layers (free items; w line width, h text height)
Top Overlay:
  lines w0.2: 201.976,-13.6 212.815,-13.6 ; 217.216,-13.6 228.055,-13.6
  text "AUX" at 257.338,-4.261 h1 r90
  text "12V" at 82.374,-6.195 h1 r90
  text "GND" at 46.306,-7.8 h1
  text "CH4" at 50.116,-7.8 h1
  text "GND" at 53.926,-7.8 h1
  text "CH3" at 57.736,-7.8 h1
  text "GND" at 61.546,-7.8 h1
  text "CH2" at 65.356,-7.8 h1
  text "GND" at 69.166,-7.8 h1
  text "CH1" at 72.976,-7.8 h1
  text "-" at 85.166,-7.8 h1
  text "+" at 88.976,-7.8 h1
  text "-" at 169.576,-7.8 h1 r90
  text "+" at 173.576,-7.8 h1 r90
  text "-" at 177.196,-7.8 h1 r90
  text "+" at 181.196,-7.8 h1 r90
  text "2" at 170.551,-8.262 h1
  text "1" at 178.171,-8.262 h1
  text "1" at 259.531,-9.194 h2
  text "2" at 263.341,-9.194 h2
  text "3" at 267.151,-9.194 h2
  text "4" at 270.961,-9.194 h2
  text "Digital In" at 165.435,-11.34 h1 r90
  text "Analog In" at 44.45,-11.936 h1 r90
  text "Digital Out" at 196.672,-12.245 h1 r90
  text "NC" at 203.193,-12.683 h1 r90
  text "COM" at 208.273,-12.683 h1 r90
  text "NO" at 213.353,-12.683 h1 r90
  text "NC" at 218.433,-12.683 h1 r90
  text "COM" at 223.513,-12.683 h1 r90
  text "NO" at 228.593,-12.683 h1 r90
  text "2" at 207.076,-15.4 h1
  text "1" at 222.316,-15.4 h1
  text "DIN 8" at 60.445,-26.062 h1
  text "DIN 6" at 68.857,-26.062 h1
  text "DIN 4" at 77.27,-26.062 h1
  text "DIN 2" at 85.682,-26.062 h1
  text "DOUT 8" at 161.883,-39.977 h1
  text "DOUT 6" at 168.983,-39.977 h1
  text "DOUT 4" at 176.083,-39.977 h1
  text "DOUT 2" at 183.183,-39.978 h1
  text "DIN 7" at 60.722,-42.061 h1
  text "DIN 5" at 69.108,-42.061 h1
  text "DIN 3" at 77.495,-42.061 h1
  text "DIN 1" at 85.882,-42.061 h1
  text "OIS MB v1.0" at 279.222,-58.218 h3 r270
  text "GND" at 250.55,-58.988 h3
  text "5V_IO" at 198.876,-61.3 h1
  text "RTC" at 87.876,-63.8 h1
  text "VCC" at 91.276,-66.86 h1
  text "DOUT 7" at 161.883,-67.679 h1
  text "DOUT 5" at 168.983,-67.679 h1
  text "DOUT 3" at 176.083,-67.679 h1
  text "DOUT 1" at 183.183,-67.679 h1
  text "5V" at 188.169,-69.235 h1
  text "12V" at 182.256,-69.317 h1
  text "SDA" at 91.276,-69.4 h1
  text "SCL" at 91.376,-71.8 h1
  text "GND" at 91.276,-77.02 h1
  text "5V" at 201.776,-81.134 h1
  text "G" at 76.228,-81.644 h1
  text "C" at 66.012,-81.705 h1
  text "4" at 68.552,-81.705 h1
  text "1" at 71.092,-81.705 h1
  text "2" at 73.632,-81.705 h1
  text "ESP" at 92.178,-84.311 h1 r270
  text "RPI" at 85.762,-84.506 h1 r270
  text "ESP" at 62.7,-84.8 h1 r270
  text "I2C" at 88.336,-91.278 h1
  text "3V3" at 64.646,-92.628 h1
  text "D" at 68.336,-92.628 h1
  text "12" at 70.502,-92.628 h1
  text "3" at 73.486,-92.628 h1
  text "16" at 75.63,-92.628 h1
  text "+" at 225.611,-94.193 h2 r270
  text "-" at 230.973,-94.27 h2 r270
  text "D0" at 65.276,-95 h1
  text "D1" at 70.356,-95 h1
  text "G" at 68.433,-95.044 h1
  text "5V" at 76.976,-95.265 h1 r45
  text "3V3" at 73.952,-95.5 h1 r45
  text "RPI" at 62.9,-96.3 h1 r270
  text "PWR IN / +12V" at 235.772,-96.56 h1 r270
  text "1" at 259.589,-97.308 h2
  text "2" at 263.399,-97.308 h2
  text "3" at 267.209,-97.308 h2
  text "4" at 271.019,-97.308 h2
  text "AUX" at 256.689,-102.002 h1 r90
  text "C0" at 65.576,-102.305 h1
  text "G" at 68.433,-102.305 h1
  text "C1" at 70.656,-102.305 h1
  text "G" at 73.513,-102.305 h1
  text "5V" at 75.576,-102.305 h1
Bottom Overlay:
  text "G" at 146.38,-12.4 h1
  text "5" at 148.92,-12.4 h1
  text "O" at 151.46,-12.4 h1
  text "I" at 154,-12.4 h1
  text "+" at 150.5,-14.9 h1
  text "G" at 145.11,-14.94 h1
  text "W" at 153,-15.1 h1
  text "+" at 148.1,-20.9 h1 r180
  text "W" at 146.649,-22.162 h1
  text "G" at 154.3,-22.2 h1
  text "O" at 147.9,-24.7 h1
  text "5" at 150.4,-24.7 h1
  text "G" at 152.9,-24.7 h1
  text "I" at 145.1,-24.8 h1
  text "3V3" at 107.1,-42.9 h1
  text "5V" at 98.7,-42.98 h1
  text "D" at 104.984,-45.403 h1
  text "5V" at 98.7,-45.52 h1
  text "C" at 104.984,-47.943 h1
  text "G" at 98.7,-48.06 h1
  text "4" at 104.984,-50.483 h1
  text "14" at 98.7,-50.6 h1
  text "15" at 98.7,-53.14 h1
  text "G" at 105,-53.14 h1
  text "17" at 105.8,-55.6 h1
  text "18" at 98.7,-55.68 h1
  text "27" at 105.8,-58.14 h1
  text "G" at 98.7,-58.22 h1
  text "OIS MB v1.0" at 283.059,-58.401 h3 r90
  text "GND" at 259.66,-58.988 h3
  text "22" at 105.8,-60.68 h1
  text "23" at 98.7,-60.76 h1
  text "3V3" at 107.1,-63.22 h1
  text "24" at 98.7,-63.3 h1
  text "10" at 105.8,-65.76 h1
  text "G" at 98.7,-65.84 h1
  text "VCC" at 87.544,-66.86 h1
  text "9" at 105.8,-68.3 h1
  text "25" at 98.7,-68.38 h1
  text "SDA" at 87.544,-69.4 h1
  text "11" at 105.8,-70.84 h1
  text "8" at 98.7,-70.92 h1
  text "SCL" at 87.444,-71.8 h1
  text "7" at 98.7,-73.46 h1
  text "G" at 105,-73.46 h1
  text "0" at 105.8,-75.92 h1
  text "1" at 98.7,-76 h1
  text "GND" at 87.544,-77.02 h1
  text "5" at 105.8,-78.46 h1
  text "G" at 98.7,-78.54 h1
  text "6" at 105.8,-81 h1
  text "12" at 98.7,-81.08 h1
  text "13" at 105.8,-83.54 h1
  text "G" at 98.7,-83.62 h1
  text "19" at 105.8,-86.08 h1
  text "16" at 98.7,-86.16 h1
  text "26" at 105.8,-88.62 h1
  text "20" at 98.7,-88.7 h1
  text "21" at 98.7,-91.24 h1
  text "G" at 105,-91.24 h1
  text "D0" at 67.588,-95 h1
  text "D1" at 72.668,-95 h1
  text "G" at 69.51,-95.044 h1
  text "5V" at 76.75,-95.736 h1 r315
  text "3V3" at 74.814,-95.885 h1 r315
  text "RPI" at 64.332,-96.2 h1 r90
  text "C0" at 67.088,-102.305 h1
  text "G" at 69.31,-102.305 h1
  text "C1" at 72.168,-102.305 h1
  text "G" at 74.39,-102.305 h1
  text "5V" at 77.408,-102.305 h1
Mechanical 1:
  lines w0.7: 98.929,-99.029 98.93,-99.027
BoardOutline:
  lines w0.2: 98.929,-99.029 98.929,-103.2 23.55,-103.2 2.5,-103.2 cw(c2.5,-100.7) 0,-100.7 0,-2.5 cw(c2.5,-2.5) 2.5,0 23.55,0 283.076,0 cw(c283.076,-2.5) 285.576,-2.5 285.576,-100.7 cw(c283.076,-100.7) 283.076,-103.2 116.678,-103.2 116.678,-99.027 98.93,-99.027

## Text inside footprints (layer, text, board x,y; h text height)
J1: Mechanical 13 "PCB EDGE" at 96.81,0.51 h1.02 r180
J7: Mechanical 13 "PCB EDGE" at 30.837,0.202 h1 r180
J11: Mechanical 13 "PCB Edge" at 25.876,-102.625 h0.81
J12: Mechanical 13 "PCB Edge" at 5.546,-0.5 h0.81 r180
LS1: Top Overlay "+" at 63.155,-61.134 h1.27 r90
Q1: Mechanical 13 "*" at 63.889,-47.248 h1.27 r270
Q2: Mechanical 13 "*" at 71.689,-47.248 h1.27 r270
Q3: Mechanical 13 "*" at 80.992,-47.241 h1.27 r270
Q4: Mechanical 13 "*" at 88.792,-47.241 h1.27 r270
Q10: Mechanical 13 "*" at 63.897,-30.445 h1.27 r270
Q11: Mechanical 13 "*" at 71.697,-30.445 h1.27 r270
Q12: Mechanical 13 "*" at 210.18,-46.293 h1.27 r90
Q14: Mechanical 13 "*" at 229.28,-46.305 h1.27 r90
Q16: Mechanical 13 "*" at 80.988,-30.451 h1.27 r270
Q17: Mechanical 13 "*" at 88.788,-30.451 h1.27 r270
Q18: Mechanical 13 "*" at 171.586,-14.135 h1.27 r270
Q19: Mechanical 13 "*" at 179.386,-14.135 h1.27 r270
U10: Bottom Overlay "5V" at 33.4,-32.7 h1; Bottom Overlay "R" at 32.4,-37.68 h1; Bottom Overlay "T" at 32.4,-40.22 h1; Bottom Overlay "G" at 32.4,-42.76 h1